# EAGLE board Mk4 Final Panel 6up 3x2 (EAGLE 9.0.1), part 13 of 18 (continued)
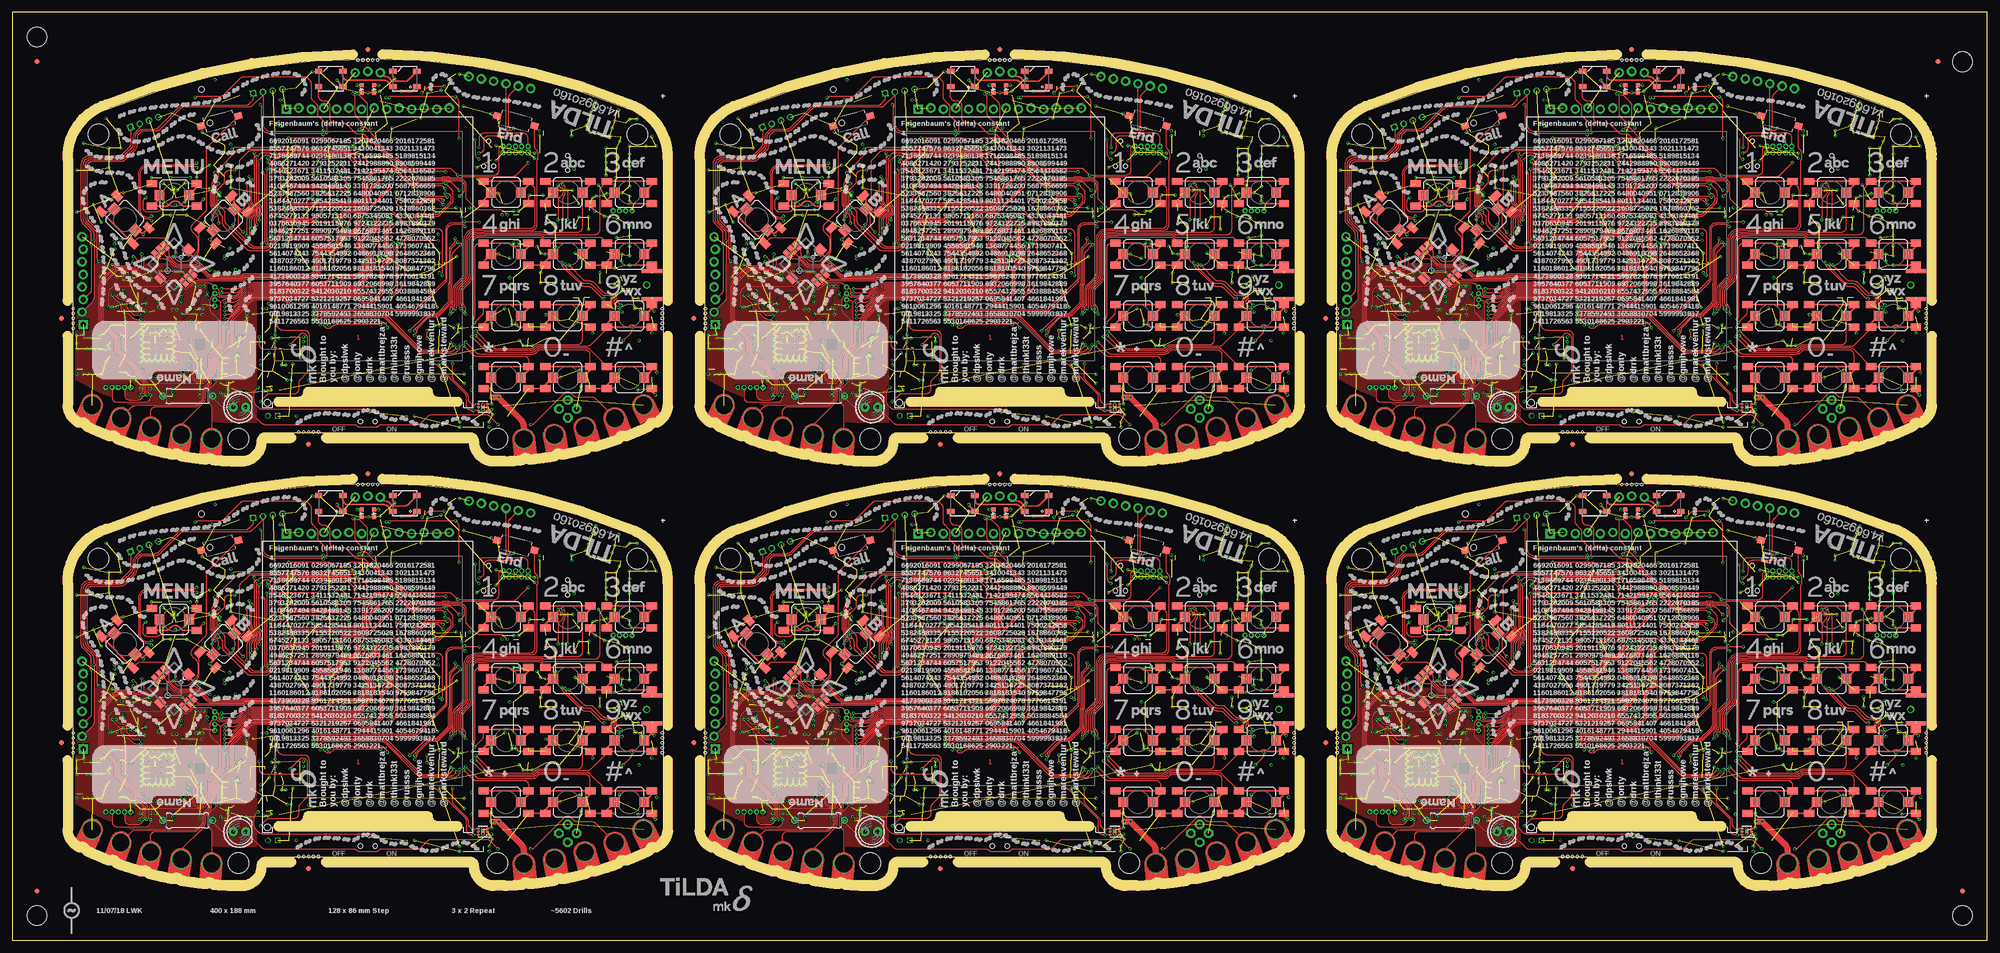
[diagram p0: board, top side]
## Tracks (layer width: path | path; a pad name or v marks a point on that pad's centre or on a via) (continued)
SDRAM_BA12  (via drill 0.3)
  Top 0.15: v305.5,145 305.48,145.03 305.48,146.07 arc-45 305.77,146.78 305.98,146.99 arc90 305.98,148.76 305.77,148.97 arc-45 305.48,149.67 305.48,158.72 v305.5,158.75 305.96,159.21 arc-45 306.66,159.5 308.09,159.5 arc-45 308.8,159.21 308.88,159.13 arc90 309.62,159.13 309.8,159.31 arc-45 310.51,159.6 312.86,159.6 313.15,159.89 arc-90 313.85,159.89 314.17,159.57 323.82,159.57 arc-45 324.17,159.43 324.31,159.29 arc45 324.66,159.15 325.5,159.15 arc-90 326.5,158.15 326.5,158.1 arc45 v326.75,157.5
  Bottom 0.15: v305.5,145 310.28,145 IC109.21 | v305.5,158.75 305.45,158.7 IC109.51 | v326.75,157.5 arc-45 326.6,157.86 IC110.77
SDRAM_BA13  (via drill 0.3)
  Top 0.15: v306,146 306,146.38 arc-45 306.15,146.74 306.29,146.88 arc90 306.29,148.87 arc-45 306,149.57 v306,158 306.73,158.73 arc-45 307.44,159.03 307.76,159.03 arc-45 308.11,158.88 308.17,158.82 arc45 308.52,158.68 309.38,158.68 arc45 309.74,158.82 309.92,159.01 arc-45 310.63,159.3 312.96,159.3 313.15,159.11 arc90 313.85,159.11 314.02,159.28 323.69,159.28 arc-45 324.05,159.13 324.25,158.93 arc45 324.45,158.84 arc-45 324.8,158.7 v326,157.5
  Bottom 0.15: IC109.50 305.9,157.9 v306,158 | IC109.20 309.91,145.9 arc-45 309.81,145.94 arc45 309.67,146 v306,146 | v326,157.5 arc45 326.2,157.98 IC110.76
SDRAM_CKE  (via drill 0.3)
  Top 0.15: v41.75,61.5 42.21,61.04 arc-45 42.5,60.34 42.5,59.41 arc45 42.79,58.71 47.48,54.02 arc45 48.19,53.73 51.29,53.73 arc45 51.99,54.02 54.68,56.71 arc45 54.98,57.41 54.98,58.5 arc-90 55.98,59.5 64.29,59.5 arc45 65,59.79 66.87,61.66 arc-45 67.93,62.1 70.25,62.1 arc90 72.5,64.35 72.5,65.49 arc-45 72.79,66.19 74.31,67.71 arc-45 75.01,68 v75.5,68
  Bottom 0.15: IC1.104 78.73,68.4 arc45 78.59,68.34 78.53,68.28 arc-45 78.39,68.22 75.75,68.22 75.53,68 v75.5,68 | v41.75,61.5 IC2.37
SDRAM_CKE1  (via drill 0.3)
  Top 0.15: v169.75,61.5 170.21,61.04 arc-45 170.5,60.34 170.5,59.41 arc45 170.79,58.71 175.48,54.02 arc45 176.19,53.73 179.29,53.73 arc45 179.99,54.02 182.68,56.71 arc45 182.97,57.41 182.97,58.5 arc-90 183.97,59.5 192.29,59.5 arc45 193,59.79 194.87,61.66 arc-45 195.93,62.1 198.25,62.1 arc90 200.5,64.35 200.5,65.49 arc-45 200.79,66.19 202.31,67.71 arc-45 203.01,68 v203.5,68
  Bottom 0.15: IC20.104 206.73,68.4 arc45 206.59,68.34 206.53,68.28 arc-45 206.39,68.22 203.75,68.22 203.53,68 v203.5,68 | v169.75,61.5 IC19.37
SDRAM_CKE2  (via drill 0.3)
  Top 0.15: v41.75,147.5 42.21,147.04 arc-45 42.5,146.34 42.5,145.41 arc45 42.79,144.71 47.48,140.02 arc45 48.19,139.72 51.29,139.72 arc45 51.99,140.02 54.68,142.71 arc45 54.98,143.41 54.98,144.5 arc-90 55.98,145.5 64.29,145.5 arc45 65,145.79 66.87,147.66 arc-45 67.93,148.1 70.25,148.1 arc90 72.5,150.35 72.5,151.49 arc-45 72.79,152.19 74.31,153.71 arc-45 75.01,154 v75.5,154
  Bottom 0.15: IC38.104 78.73,154.4 arc45 78.59,154.34 78.53,154.28 arc-45 78.39,154.22 75.75,154.22 75.53,154 v75.5,154 | v41.75,147.5 IC37.37
SDRAM_CKE3  (via drill 0.3)
  Top 0.15: v169.75,147.5 170.21,147.04 arc-45 170.5,146.34 170.5,145.41 arc45 170.79,144.71 175.48,140.02 arc45 176.19,139.72 179.29,139.72 arc45 179.99,140.02 182.68,142.71 arc45 182.97,143.41 182.97,144.5 arc-90 183.97,145.5 192.29,145.5 arc45 193,145.79 194.87,147.66 arc-45 195.93,148.1 198.25,148.1 arc90 200.5,150.35 200.5,151.49 arc-45 200.79,152.19 202.31,153.71 arc-45 203.01,154 v203.5,154
  Bottom 0.15: IC56.104 206.73,154.4 arc45 206.59,154.34 206.53,154.28 arc-45 206.39,154.22 203.75,154.22 203.53,154 v203.5,154 | v169.75,147.5 IC55.37
SDRAM_CKE4  (via drill 0.3)
  Top 0.15: v297.75,61.5 298.21,61.04 arc-45 298.5,60.34 298.5,59.41 arc45 298.79,58.71 303.48,54.02 arc45 304.19,53.73 307.29,53.73 arc45 307.99,54.02 310.68,56.71 arc45 310.98,57.41 310.98,58.5 arc-90 311.98,59.5 320.29,59.5 arc45 321,59.79 322.87,61.66 arc-45 323.93,62.1 326.25,62.1 arc90 328.5,64.35 328.5,65.49 arc-45 328.79,66.19 330.31,67.71 arc-45 331.01,68 v331.5,68
  Bottom 0.15: IC74.104 334.73,68.4 arc45 334.59,68.34 334.53,68.28 arc-45 334.39,68.22 331.75,68.22 331.52,68 v331.5,68 | v297.75,61.5 IC73.37
SDRAM_CKE6  (via drill 0.3)
  Top 0.15: v297.75,147.5 298.21,147.04 arc-45 298.5,146.34 298.5,145.41 arc45 298.79,144.71 303.48,140.02 arc45 304.19,139.72 307.29,139.72 arc45 307.99,140.02 310.68,142.71 arc45 310.98,143.41 310.98,144.5 arc-90 311.98,145.5 320.29,145.5 arc45 321,145.79 322.87,147.66 arc-45 323.93,148.1 326.25,148.1 arc90 328.5,150.35 328.5,151.49 arc-45 328.79,152.19 330.31,153.71 arc-45 331.01,154 v331.5,154
  Bottom 0.15: IC110.104 334.73,154.4 arc45 334.59,154.34 334.53,154.28 arc-45 334.39,154.22 331.75,154.22 331.52,154 v331.5,154 | v297.75,147.5 IC109.37
SDRAM_CLK  (via drill 0.3)
  Top 0.15: v45,70 44,70 arc90 43,69 43,67.5 41.52,66.02 arc45 41.48,65.91 arc-45 41.33,65.55 41.25,65.47 arc45 41.1,65.12 41.1,63.28 arc45 41.17,63.1 41.4,62.87 arc-45 41.48,62.7 41.48,62.52 v41.7,62.3 | v53.23,70.5 v62.25,70.5
  Bottom 0.15: v53.23,70.5 52.17,70.5 arc-45 51.86,70.63 arc45 51.51,70.78 46.19,70.78 arc45 45.48,70.48 v45,70 | IC1.62 62.35,70.4 v62.25,70.5 | IC2.38 v41.7,62.3
SDRAM_CLK1  (via drill 0.3)
  Top 0.15: v173,70 172,70 arc90 171,69 171,67.5 169.52,66.02 arc45 169.47,65.91 arc-45 169.33,65.55 169.25,65.47 arc45 169.1,65.12 169.1,63.28 arc45 169.17,63.1 169.4,62.87 arc-45 169.47,62.7 169.47,62.52 v169.7,62.3 | v181.23,70.5 v190.25,70.5
  Bottom 0.15: v181.23,70.5 180.17,70.5 arc-45 179.86,70.63 arc45 179.51,70.78 174.19,70.78 arc45 173.48,70.48 v173,70 | IC20.62 190.35,70.4 v190.25,70.5 | IC19.38 v169.7,62.3
SDRAM_CLK2  (via drill 0.3)
  Top 0.15: v45,156 44,156 arc90 43,155 43,153.5 41.52,152.02 arc45 41.48,151.91 arc-45 41.33,151.55 41.25,151.47 arc45 41.1,151.12 41.1,149.28 arc45 41.17,149.1 41.4,148.87 arc-45 41.48,148.7 41.48,148.53 v41.7,148.3 | v53.23,156.5 v62.25,156.5
  Bottom 0.15: v53.23,156.5 52.17,156.5 arc-45 51.86,156.63 arc45 51.51,156.78 46.19,156.78 arc45 45.48,156.48 v45,156 | IC38.62 62.35,156.4 v62.25,156.5 | IC37.38 v41.7,148.3
SDRAM_CLK3  (via drill 0.3)
  Top 0.15: v173,156 172,156 arc90 171,155 171,153.5 169.52,152.02 arc45 169.47,151.91 arc-45 169.33,151.55 169.25,151.47 arc45 169.1,151.12 169.1,149.28 arc45 169.17,149.1 169.4,148.87 arc-45 169.47,148.7 169.47,148.53 v169.7,148.3 | v181.23,156.5 v190.25,156.5
  Bottom 0.15: v181.23,156.5 180.17,156.5 arc-45 179.86,156.63 arc45 179.51,156.78 174.19,156.78 arc45 173.48,156.48 v173,156 | IC56.62 190.35,156.4 v190.25,156.5 | IC55.38 v169.7,148.3
SDRAM_CLK4  (via drill 0.3)
  Top 0.15: v301,70 300,70 arc90 299,69 299,67.5 297.52,66.02 arc45 297.48,65.91 arc-45 297.33,65.55 297.25,65.47 arc45 297.1,65.12 297.1,63.28 arc45 297.17,63.1 297.4,62.87 arc-45 297.48,62.7 297.48,62.52 v297.7,62.3 | v309.23,70.5 v318.25,70.5
  Bottom 0.15: v309.23,70.5 308.17,70.5 arc-45 307.86,70.63 arc45 307.51,70.78 302.19,70.78 arc45 301.48,70.48 v301,70 | IC74.62 318.35,70.4 v318.25,70.5 | IC73.38 v297.7,62.3
SDRAM_CLK6  (via drill 0.3)
  Top 0.15: v301,156 300,156 arc90 299,155 299,153.5 297.52,152.02 arc45 297.48,151.91 arc-45 297.33,151.55 297.25,151.47 arc45 297.1,151.12 297.1,149.28 arc45 297.17,149.1 297.4,148.87 arc-45 297.48,148.7 297.48,148.53 v297.7,148.3 | v309.23,156.5 v318.25,156.5
  Bottom 0.15: v309.23,156.5 308.17,156.5 arc-45 307.86,156.63 arc45 307.51,156.78 302.19,156.78 arc45 301.48,156.48 v301,156 | IC110.62 318.35,156.4 v318.25,156.5 | IC109.38 v297.7,148.3
SDRAM_D1  (via drill 0.3)
  Top 0.15: v198,74.5 196.94,74.5 arc-45 196.88,74.47 186.54,74.47 186.38,74.63 arc90 184.62,74.63 184.61,74.62 173.29,74.62 arc45 172.58,74.33 v172.5,74.25
  Bottom 0.15: IC19.53 172.45,74.3 v172.5,74.25 | IC20.78 199,73.53 arc90 198.8,73.72 198.68,73.72 arc-90 198.47,73.92 198.47,73.94 arc45 198.42,74.08 v198,74.5
SDRAM_D2  (via drill 0.3)
  Top 0.15: v70,160.5 68.94,160.5 arc-45 68.88,160.47 58.54,160.47 58.38,160.63 arc90 56.62,160.63 56.61,160.62 45.29,160.62 arc45 44.58,160.33 v44.5,160.25
  Bottom 0.15: IC37.53 44.45,160.3 v44.5,160.25 | IC38.78 71,159.53 arc90 70.8,159.72 70.67,159.72 arc-90 70.47,159.93 70.47,159.94 arc45 70.42,160.08 v70,160.5
SDRAM_D3  (via drill 0.3)
  Top 0.15: v198,160.5 196.94,160.5 arc-45 196.88,160.47 186.54,160.47 186.38,160.63 arc90 184.62,160.63 184.61,160.62 173.29,160.62 arc45 172.58,160.33 v172.5,160.25
  Bottom 0.15: IC55.53 172.45,160.3 v172.5,160.25 | IC56.78 199,159.53 arc90 198.8,159.72 198.68,159.72 arc-90 198.47,159.93 198.47,159.94 arc45 198.42,160.08 v198,160.5
SDRAM_D4  (via drill 0.3)
  Top 0.15: v326,74.5 324.94,74.5 arc-45 324.88,74.47 314.54,74.47 314.38,74.63 arc90 312.62,74.63 312.61,74.62 301.29,74.62 arc45 300.58,74.33 v300.5,74.25
  Bottom 0.15: IC73.53 300.45,74.3 v300.5,74.25 | IC74.78 327,73.53 arc90 326.8,73.72 326.68,73.72 arc-90 326.48,73.92 326.48,73.94 arc45 326.42,74.08 v326,74.5
SDRAM_D6  (via drill 0.3)
  Top 0.15: v326,160.5 324.94,160.5 arc-45 324.88,160.47 314.54,160.47 314.38,160.63 arc90 312.62,160.63 312.61,160.62 301.29,160.62 arc45 300.58,160.33 v300.5,160.25
  Bottom 0.15: IC109.53 300.45,160.3 v300.5,160.25 | IC110.78 327,159.53 arc90 326.8,159.72 326.68,159.72 arc-90 326.48,159.93 326.48,159.94 arc45 326.42,160.08 v326,160.5
SDRAM_D15  (via drill 0.3)
  Top 0.15: v70,74.5 68.94,74.5 arc-45 68.88,74.47 58.54,74.47 58.38,74.63 arc90 56.62,74.63 56.61,74.62 45.29,74.62 arc45 44.58,74.33 v44.5,74.25
  Bottom 0.15: IC2.53 44.45,74.3 v44.5,74.25 | IC1.78 71,73.53 arc90 70.8,73.72 70.67,73.72 arc-90 70.47,73.92 70.47,73.94 arc45 70.42,74.08 v70,74.5
SDRAM_DQMH  (via drill 0.3)
  Top 0.15: v45.75,63.75 arc45 46,64.35 46,71.59 arc-45 46.29,72.29 47.73,73.73 arc-45 48.44,74.03 56.86,74.03 56.97,74.14 arc-90 58.03,74.14 58.29,73.88 67.94,73.88 arc-45 68.29,73.73 68.43,73.59 arc45 68.78,73.44 70.14,73.44 arc-45 70.85,73.15 71.46,72.54 arc-45 71.75,71.84 v71.75,70
  Bottom 0.15: IC2.39 43.19,63.1 arc45 43.89,63.39 43.96,63.46 arc-45 44.66,63.75 v45.75,63.75 | IC1.82 72.6,71.26 arc-45 72.31,70.56 v71.75,70
SDRAM_DQMH1  (via drill 0.3)
  Top 0.15: v173.75,63.75 arc45 174,64.35 174,71.59 arc-45 174.29,72.29 175.73,73.73 arc-45 176.44,74.03 184.86,74.03 184.97,74.14 arc-90 186.03,74.14 186.29,73.88 195.94,73.88 arc-45 196.29,73.73 196.43,73.59 arc45 196.78,73.44 198.14,73.44 arc-45 198.85,73.15 199.46,72.54 arc-45 199.75,71.84 v199.75,70
  Bottom 0.15: IC19.39 171.19,63.1 arc45 171.89,63.39 171.96,63.46 arc-45 172.66,63.75 v173.75,63.75 | IC20.82 200.6,71.26 arc-45 200.31,70.56 v199.75,70
SDRAM_DQMH2  (via drill 0.3)
  Top 0.15: v45.75,149.75 arc45 46,150.35 46,157.59 arc-45 46.29,158.29 47.73,159.73 arc-45 48.44,160.03 56.86,160.03 56.97,160.14 arc-90 58.03,160.14 58.29,159.88 67.94,159.88 arc-45 68.29,159.73 68.43,159.59 arc45 68.78,159.44 70.14,159.44 arc-45 70.85,159.15 71.46,158.54 arc-45 71.75,157.84 v71.75,156
  Bottom 0.15: IC37.39 43.19,149.1 arc45 43.89,149.39 43.96,149.46 arc-45 44.66,149.75 v45.75,149.75 | IC38.82 72.6,157.26 arc-45 72.31,156.56 v71.75,156
SDRAM_DQMH3  (via drill 0.3)
  Top 0.15: v173.75,149.75 arc45 174,150.35 174,157.59 arc-45 174.29,158.29 175.73,159.73 arc-45 176.44,160.03 184.86,160.03 184.97,160.14 arc-90 186.03,160.14 186.29,159.88 195.94,159.88 arc-45 196.29,159.73 196.43,159.59 arc45 196.78,159.44 198.14,159.44 arc-45 198.85,159.15 199.46,158.54 arc-45 199.75,157.84 v199.75,156
  Bottom 0.15: IC55.39 171.19,149.1 arc45 171.89,149.39 171.96,149.46 arc-45 172.66,149.75 v173.75,149.75 | IC56.82 200.6,157.26 arc-45 200.31,156.56 v199.75,156
SDRAM_DQMH4  (via drill 0.3)
  Top 0.15: v301.75,63.75 arc45 302,64.35 302,71.59 arc-45 302.29,72.29 303.73,73.73 arc-45 304.44,74.03 312.86,74.03 312.97,74.14 arc-90 314.03,74.14 314.29,73.88 323.94,73.88 arc-45 324.29,73.73 324.43,73.59 arc45 324.78,73.44 326.14,73.44 arc-45 326.85,73.15 327.46,72.54 arc-45 327.75,71.84 v327.75,70
  Bottom 0.15: IC73.39 299.19,63.1 arc45 299.89,63.39 299.96,63.46 arc-45 300.66,63.75 v301.75,63.75 | IC74.82 328.6,71.26 arc-45 328.31,70.56 v327.75,70
SDRAM_DQMH6  (via drill 0.3)
  Top 0.15: v301.75,149.75 arc45 302,150.35 302,157.59 arc-45 302.29,158.29 303.73,159.73 arc-45 304.44,160.03 312.86,160.03 312.97,160.14 arc-90 314.03,160.14 314.29,159.88 323.94,159.88 arc-45 324.29,159.73 324.43,159.59 arc45 324.78,159.44 326.14,159.44 arc-45 326.85,159.15 327.46,158.54 arc-45 327.75,157.84 v327.75,156
  Bottom 0.15: IC109.39 299.19,149.1 arc45 299.89,149.39 299.96,149.46 arc-45 300.66,149.75 v301.75,149.75 | IC110.82 328.6,157.26 arc-45 328.31,156.56 v327.75,156
SDRAM_DQML  (via drill 0.3)
  Top 0.15: v53.25,63.75 53.5,63.75 arc90 54.5,64.75 54.5,68.7 arc90 53.5,69.7 arc-45 52.99,69.91 52.92,69.98 arc-45 52.7,70.51 52.7,71.59 arc-45 52.92,72.12 arc-45 53.54,72.38 arc45 53.84,72.5 54.05,72.71 arc-45 54.75,73 56.83,73 56.97,72.86 arc90 58.03,72.86 58.14,72.97 67.57,72.97 arc-45 67.92,72.83 68.96,71.79 arc-45 69.25,71.09 69.25,71 arc90 70.25,70 v71,70
  Bottom 0.15: IC2.15 53.61,63.9 arc45 v53.25,63.75 | IC1.81 72.2,71.61 arc-45 71.91,70.91 v71,70
SDRAM_DQML1  (via drill 0.3)
  Top 0.15: v181.25,63.75 181.5,63.75 arc90 182.5,64.75 182.5,68.7 arc90 181.5,69.7 arc-45 180.99,69.91 180.92,69.98 arc-45 180.7,70.51 180.7,71.59 arc-45 180.92,72.12 arc-45 181.54,72.38 arc45 181.84,72.5 182.05,72.71 arc-45 182.75,73 184.83,73 184.97,72.86 arc90 186.03,72.86 186.14,72.97 195.57,72.97 arc-45 195.92,72.83 196.96,71.79 arc-45 197.25,71.09 197.25,71 arc90 198.25,70 v199,70
  Bottom 0.15: IC19.15 181.61,63.9 arc45 v181.25,63.75 | IC20.81 200.2,71.61 arc-45 199.91,70.91 v199,70
SDRAM_DQML2  (via drill 0.3)
  Top 0.15: v53.25,149.75 53.5,149.75 arc90 54.5,150.75 54.5,154.7 arc90 53.5,155.7 arc-45 52.99,155.91 52.92,155.98 arc-45 52.7,156.51 52.7,157.59 arc-45 52.92,158.12 arc-45 53.54,158.38 arc45 53.84,158.5 54.05,158.71 arc-45 54.75,159 56.83,159 56.97,158.86 arc90 58.03,158.86 58.14,158.97 67.57,158.97 arc-45 67.92,158.83 68.96,157.79 arc-45 69.25,157.09 69.25,157 arc90 70.25,156 v71,156
  Bottom 0.15: IC37.15 53.61,149.9 arc45 v53.25,149.75 | IC38.81 72.2,157.61 arc-45 71.91,156.91 v71,156
SDRAM_DQML3  (via drill 0.3)
  Top 0.15: v181.25,149.75 181.5,149.75 arc90 182.5,150.75 182.5,154.7 arc90 181.5,155.7 arc-45 180.99,155.91 180.92,155.98 arc-45 180.7,156.51 180.7,157.59 arc-45 180.92,158.12 arc-45 181.54,158.38 arc45 181.84,158.5 182.05,158.71 arc-45 182.75,159 184.83,159 184.97,158.86 arc90 186.03,158.86 186.14,158.97 195.57,158.97 arc-45 195.92,158.83 196.96,157.79 arc-45 197.25,157.09 197.25,157 arc90 198.25,156 v199,156
  Bottom 0.15: IC55.15 181.61,149.9 arc45 v181.25,149.75 | IC56.81 200.2,157.61 arc-45 199.91,156.91 v199,156
SDRAM_DQML4  (via drill 0.3)
  Top 0.15: v309.25,63.75 309.5,63.75 arc90 310.5,64.75 310.5,68.7 arc90 309.5,69.7 arc-45 308.99,69.91 308.92,69.98 arc-45 308.7,70.51 308.7,71.59 arc-45 308.92,72.12 arc-45 309.54,72.38 arc45 309.84,72.5 310.05,72.71 arc-45 310.75,73 312.83,73 312.97,72.86 arc90 314.03,72.86 314.14,72.97 323.57,72.97 arc-45 323.92,72.83 324.96,71.79 arc-45 325.25,71.09 325.25,71 arc90 326.25,70 v327,70
  Bottom 0.15: IC73.15 309.61,63.9 arc45 v309.25,63.75 | IC74.81 328.2,71.61 arc-45 327.91,70.91 v327,70
SDRAM_DQML6  (via drill 0.3)
  Top 0.15: v309.25,149.75 309.5,149.75 arc90 310.5,150.75 310.5,154.7 arc90 309.5,155.7 arc-45 308.99,155.91 308.92,155.98 arc-45 308.7,156.51 308.7,157.59 arc-45 308.92,158.12 arc-45 309.54,158.38 arc45 309.84,158.5 310.05,158.71 arc-45 310.75,159 312.83,159 312.97,158.86 arc90 314.03,158.86 314.14,158.97 323.57,158.97 arc-45 323.92,158.83 324.96,157.79 arc-45 325.25,157.09 325.25,157 arc90 326.25,156 v327,156
  Bottom 0.15: IC109.15 309.61,149.9 arc45 v309.25,149.75 | IC110.81 328.2,157.61 arc-45 327.91,156.91 v327,156
SIM_CLK  (via drill 0.3)
  Top 0.2: v112,51 112,50.91 arc45 112.29,50.21 115.21,47.29 arc45 115.91,47 116.84,47 arc-45 117.54,46.71 119.36,44.89 arc45 120.06,44.6 120.9,44.6 120.95,44.55 121.55,44.55 arc-90 122.05,44.05 122.05,43.8 arc-45 121.99,43.66 121.96,43.62 arc45 121.9,43.48 121.9,43.16 arc45 122.05,42.8 v122.65,42.2 | v111.5,67.15 111.5,67.12 111.75,66.87 arc-45 111.9,66.52 111.9,65.2 arc-45 111.79,64.94 arc45 111.5,64.24 v111.5,60
  3V3@2 0.2: v122.65,42.2 122.75,42.1 124,42.1 124.75,41.35 124.75,37.7 v126.93,35.52
  Bottom 0.2: J1.C3 v126.93,35.52 | v111.5,60 arc45 111.25,59.4 111.25,53.34 arc-45 111.03,52.81 110.67,52.45 arc45 110.45,51.92 110.45,51.48 arc45 110.6,51.13 110.9,50.83 arc90 111.6,50.83 111.78,51 v112,51 | R27.2 111.5,65.72 111.55,65.77 111.55,66.23 111.5,66.28 v111.5,67.15 | IC10.2 122.45,42.4 v122.65,42.2
SIM_CLK1  (via drill 0.3)
  Top 0.2: v240,51 240,50.91 arc45 240.29,50.21 243.21,47.29 arc45 243.91,47 244.84,47 arc-45 245.54,46.71 247.36,44.89 arc45 248.06,44.6 248.9,44.6 248.95,44.55 249.55,44.55 arc-90 250.05,44.05 250.05,43.8 arc-45 249.99,43.66 249.96,43.62 arc45 249.9,43.48 249.9,43.16 arc45 250.05,42.8 v250.65,42.2 | v239.5,67.15 239.5,67.12 239.75,66.87 arc-45 239.9,66.52 239.9,65.2 arc-45 239.79,64.94 arc45 239.5,64.24 v239.5,60
  3V3@2 0.2: v250.65,42.2 250.75,42.1 252,42.1 252.75,41.35 252.75,37.7 v254.93,35.52
  Bottom 0.2: J14.C3 v254.93,35.52 | v239.5,60 arc45 239.25,59.4 239.25,53.34 arc-45 239.03,52.81 238.67,52.45 arc45 238.45,51.92 238.45,51.48 arc45 238.6,51.13 238.9,50.83 arc90 239.6,50.83 239.78,51 v240,51 | R109.2 239.5,65.72 239.55,65.77 239.55,66.23 239.5,66.28 v239.5,67.15 | IC25.2 250.45,42.4 v250.65,42.2
SIM_CLK2  (via drill 0.3)
  Top 0.2: v112,137 112,136.91 arc45 112.29,136.21 115.21,133.29 arc45 115.91,133 116.84,133 arc-45 117.54,132.71 119.36,130.89 arc45 120.06,130.6 120.9,130.6 120.95,130.55 121.55,130.55 arc-90 122.05,130.05 122.05,129.8 arc-45 121.99,129.66 121.96,129.62 arc45 121.9,129.48 121.9,129.16 arc45 122.05,128.8 v122.65,128.2 | v111.5,153.15 111.5,153.12 111.75,152.87 arc-45 111.9,152.52 111.9,151.2 arc-45 111.79,150.94 arc45 111.5,150.24 v111.5,146
  3V3@2 0.2: v122.65,128.2 122.75,128.1 124,128.1 124.75,127.35 124.75,123.7 v126.93,121.52
  Bottom 0.2: J24.C3 v126.93,121.52 | v111.5,146 arc45 111.25,145.4 111.25,139.34 arc-45 111.03,138.81 110.67,138.45 arc45 110.45,137.92 110.45,137.48 arc45 110.6,137.13 110.9,136.83 arc90 111.6,136.83 111.78,137 v112,137 | R187.2 111.5,151.72 111.55,151.77 111.55,152.23 111.5,152.28 v111.5,153.15 | IC43.2 122.45,128.4 v122.65,128.2
SIM_CLK3  (via drill 0.3)
  Top 0.2: v240,137 240,136.91 arc45 240.29,136.21 243.21,133.29 arc45 243.91,133 244.84,133 arc-45 245.54,132.71 247.36,130.89 arc45 248.06,130.6 248.9,130.6 248.95,130.55 249.55,130.55 arc-90 250.05,130.05 250.05,129.8 arc-45 249.99,129.66 249.96,129.62 arc45 249.9,129.48 249.9,129.16 arc45 250.05,128.8 v250.65,128.2 | v239.5,153.15 239.5,153.12 239.75,152.87 arc-45 239.9,152.52 239.9,151.2 arc-45 239.79,150.94 arc45 239.5,150.24 v239.5,146
  3V3@2 0.2: v250.65,128.2 250.75,128.1 252,128.1 252.75,127.35 252.75,123.7 v254.93,121.52
  Bottom 0.2: J34.C3 v254.93,121.52 | v239.5,146 arc45 239.25,145.4 239.25,139.34 arc-45 239.03,138.81 238.67,138.45 arc45 238.45,137.92 238.45,137.48 arc45 238.6,137.13 238.9,136.83 arc90 239.6,136.83 239.78,137 v240,137 | R265.2 239.5,151.72 239.55,151.77 239.55,152.23 239.5,152.28 v239.5,153.15 | IC61.2 250.45,128.4 v250.65,128.2
SIM_CLK4  (via drill 0.3)
  Top 0.2: v368,51 368,50.91 arc45 368.29,50.21 371.21,47.29 arc45 371.91,47 372.84,47 arc-45 373.54,46.71 375.36,44.89 arc45 376.06,44.6 376.9,44.6 376.95,44.55 377.55,44.55 arc-90 378.05,44.05 378.05,43.8 arc-45 377.99,43.66 377.96,43.62 arc45 377.9,43.48 377.9,43.16 arc45 378.05,42.8 v378.65,42.2 | v367.5,67.15 367.5,67.12 367.75,66.87 arc-45 367.9,66.52 367.9,65.2 arc-45 367.79,64.94 arc45 367.5,64.24 v367.5,60
  3V3@2 0.2: v378.65,42.2 378.75,42.1 380,42.1 380.75,41.35 380.75,37.7 v382.93,35.52
  Bottom 0.2: J44.C3 v382.93,35.52 | v367.5,60 arc45 367.25,59.4 367.25,53.34 arc-45 367.03,52.81 366.67,52.45 arc45 366.45,51.92 366.45,51.48 arc45 366.6,51.13 366.9,50.83 arc90 367.6,50.83 367.78,51 v368,51 | R343.2 367.5,65.72 367.55,65.77 367.55,66.23 367.5,66.28 v367.5,67.15 | IC79.2 378.45,42.4 v378.65,42.2
SIM_CLK6  (via drill 0.3)
  Top 0.2: v368,137 368,136.91 arc45 368.29,136.21 371.21,133.29 arc45 371.91,133 372.84,133 arc-45 373.54,132.71 375.36,130.89 arc45 376.06,130.6 376.9,130.6 376.95,130.55 377.55,130.55 arc-90 378.05,130.05 378.05,129.8 arc-45 377.99,129.66 377.96,129.62 arc45 377.9,129.48 377.9,129.16 arc45 378.05,128.8 v378.65,128.2 | v367.5,153.15 367.5,153.12 367.75,152.87 arc-45 367.9,152.52 367.9,151.2 arc-45 367.79,150.94 arc45 367.5,150.24 v367.5,146
  3V3@2 0.2: v378.65,128.2 378.75,128.1 380,128.1 380.75,127.35 380.75,123.7 v382.93,121.52
  Bottom 0.2: J64.C3 v382.93,121.52 | v367.5,146 arc45 367.25,145.4 367.25,139.34 arc-45 367.03,138.81 366.67,138.45 arc45 366.45,137.92 366.45,137.48 arc45 366.6,137.13 366.9,136.83 arc90 367.6,136.83 367.78,137 v368,137 | R499.2 367.5,151.72 367.55,151.77 367.55,152.23 367.5,152.28 v367.5,153.15 | IC115.2 378.45,128.4 v378.65,128.2
SIM_CLK_R
  Bottom 0.2: IC5.16 111.4,63.9 R27.1 C49.2
SIM_CLK_R1
  Bottom 0.2: IC21.16 239.4,63.9 R109.1 C156.2
SIM_CLK_R2
  Bottom 0.2: IC39.16 111.4,149.9 R187.1 C264.2
SIM_CLK_R3
  Bottom 0.2: IC57.16 239.4,149.9 R265.1 C372.2
SIM_CLK_R4
  Bottom 0.2: IC75.16 367.4,63.9 R343.1 C480.2
SIM_CLK_R6
  Bottom 0.2: IC111.16 367.4,149.9 R499.1 C696.2
SIM_CTS
  Bottom 0.2: R34.1 98.5,50.25 TP4.TP
SIM_CTS1
  Bottom 0.2: R117.1 226.5,50.25 TP23.TP
SIM_CTS2
  Bottom 0.2: R195.1 98.5,136.25 TP42.TP
SIM_CTS3
  Bottom 0.2: R273.1 226.5,136.25 TP61.TP
SIM_CTS4
  Bottom 0.2: R351.1 354.5,50.25 TP80.TP
SIM_CTS6
  Bottom 0.2: R507.1 354.5,136.25 TP118.TP
SIM_CTS_R
  Bottom 0.15: IC5.4 R34.2
SIM_CTS_R1
  Bottom 0.15: IC21.4 R117.2
SIM_CTS_R2
  Bottom 0.15: IC39.4 R195.2
SIM_CTS_R3
  Bottom 0.15: IC57.4 R273.2
SIM_CTS_R4
  Bottom 0.15: IC75.4 R351.2
SIM_CTS_R6
  Bottom 0.15: IC111.4 R507.2
SIM_D_N
  Bottom 0.25: IC5.26 121.35,54.65 121.7,55 122.1,55 arc90 123.8,56.7 123.8,61.37 arc-90 JP9.2
SIM_D_N1
  Bottom 0.25: IC21.26 249.35,54.65 249.7,55 250.1,55 arc90 251.8,56.7 251.8,61.37 arc-90 JP14.2
SIM_D_N2
  Bottom 0.25: IC39.26 121.35,140.65 121.7,141 122.1,141 arc90 123.8,142.7 123.8,147.37 arc-90 JP23.2
SIM_D_N3
  Bottom 0.25: IC57.26 249.35,140.65 249.7,141 250.1,141 arc90 251.8,142.7 251.8,147.37 arc-90 JP32.2
SIM_D_N4
  Bottom 0.25: IC75.26 377.35,54.65 377.7,55 378.1,55 arc90 379.8,56.7 379.8,61.37 arc-90 JP41.2
SIM_D_N6
  Bottom 0.25: IC111.26 377.35,140.65 377.7,141 378.1,141 arc90 379.8,142.7 379.8,147.37 arc-90 JP59.2
SIM_D_P
  Bottom 0.25: IC5.25 121.35,55.75 121.7,55.4 122.1,55.4 arc90 123.4,56.7 123.4,61.36 arc90 JP9.3
SIM_D_P1
  Bottom 0.25: IC21.25 249.35,55.75 249.7,55.4 250.1,55.4 arc90 251.4,56.7 251.4,61.36 arc90 JP14.3
SIM_D_P2
  Bottom 0.25: IC39.25 121.35,141.75 121.7,141.4 122.1,141.4 arc90 123.4,142.7 123.4,147.36 arc90 JP23.3
SIM_D_P3
  Bottom 0.25: IC57.25 249.35,141.75 249.7,141.4 250.1,141.4 arc90 251.4,142.7 251.4,147.36 arc90 JP32.3
SIM_D_P4
  Bottom 0.25: IC75.25 377.35,55.75 377.7,55.4 378.1,55.4 arc90 379.4,56.7 379.4,61.36 arc90 JP41.3
SIM_D_P6
  Bottom 0.25: IC111.25 377.35,141.75 377.7,141.4 378.1,141.4 arc90 379.4,142.7 379.4,147.36 arc90 JP59.3
SIM_DATA  (via drill 0.3)
  Top 0.2: v123.75,35.5 125.21,36.96 arc45 125.5,37.66 v125.5,38 | v110.5,60 110.5,63.73 arc-45 110.79,64.44 111.26,64.9 arc45 111.55,65.61 111.55,66.05 arc90 111.05,66.55 110.95,66.55 v110.5,67 | v112.75,50.75 115.71,47.79 arc45 116.41,47.5 117.09,47.5 arc-45 117.79,47.21 119.71,45.29 arc45 120.41,45 121.04,45 arc-45 121.14,44.96 arc45 121.28,44.9 121.9,44.9 arc-90 122.4,44.4 122.4,43.76 arc45 122.55,43.4 v123.3,42.65
  3V3@2 0.2: v125.5,38 125.25,38.25 125.25,41.45 124.05,42.65 v123.3,42.65
  Bottom 0.2: J1.C7 122.87,35.5 v123.75,35.5 | v110.5,60 arc-45 110.75,59.4 110.75,53.33 arc-45 110.53,52.8 110.32,52.59 arc45 110.1,52.06 110.1,51.44 arc45 110.32,50.91 110.8,50.43 arc90 112.21,50.43 112.53,50.75 v112.75,50.75 | R26.2 109.5,65.59 arc-45 109.79,66.29 v110.5,67 | IC10.1 122.7,42.9 arc-45 v123.3,42.65
SIM_DATA1  (via drill 0.3)
  Top 0.2: v251.75,35.5 253.21,36.96 arc45 253.5,37.66 v253.5,38 | v238.5,60 238.5,63.73 arc-45 238.79,64.44 239.26,64.9 arc45 239.55,65.61 239.55,66.05 arc90 239.05,66.55 238.95,66.55 v238.5,67 | v240.75,50.75 243.71,47.79 arc45 244.41,47.5 245.09,47.5 arc-45 245.79,47.21 247.71,45.29 arc45 248.41,45 249.04,45 arc-45 249.14,44.96 arc45 249.28,44.9 249.9,44.9 arc-90 250.4,44.4 250.4,43.76 arc45 250.55,43.4 v251.3,42.65
  3V3@2 0.2: v253.5,38 253.25,38.25 253.25,41.45 252.05,42.65 v251.3,42.65
  Bottom 0.2: J14.C7 250.87,35.5 v251.75,35.5 | v238.5,60 arc-45 238.75,59.4 238.75,53.33 arc-45 238.53,52.8 238.32,52.59 arc45 238.1,52.06 238.1,51.44 arc45 238.32,50.91 238.79,50.43 arc90 240.21,50.43 240.53,50.75 v240.75,50.75 | R108.2 237.5,65.59 arc-45 237.79,66.29 v238.5,67 | IC25.1 250.7,42.9 arc-45 v251.3,42.65
SIM_DATA2  (via drill 0.3)